# Altium PCB Main - Backup.PcbDoc (part 3 of 4)
Units mil, origin at the board's own origin, x right, y up, seen from the top; angles counter-clockwise.
Board outline 3937.01 x 2362.21 mil, 2 copper layers (Top Layer, Bottom Layer); 313 components, 187 nets, 894 pads, 443 vias.
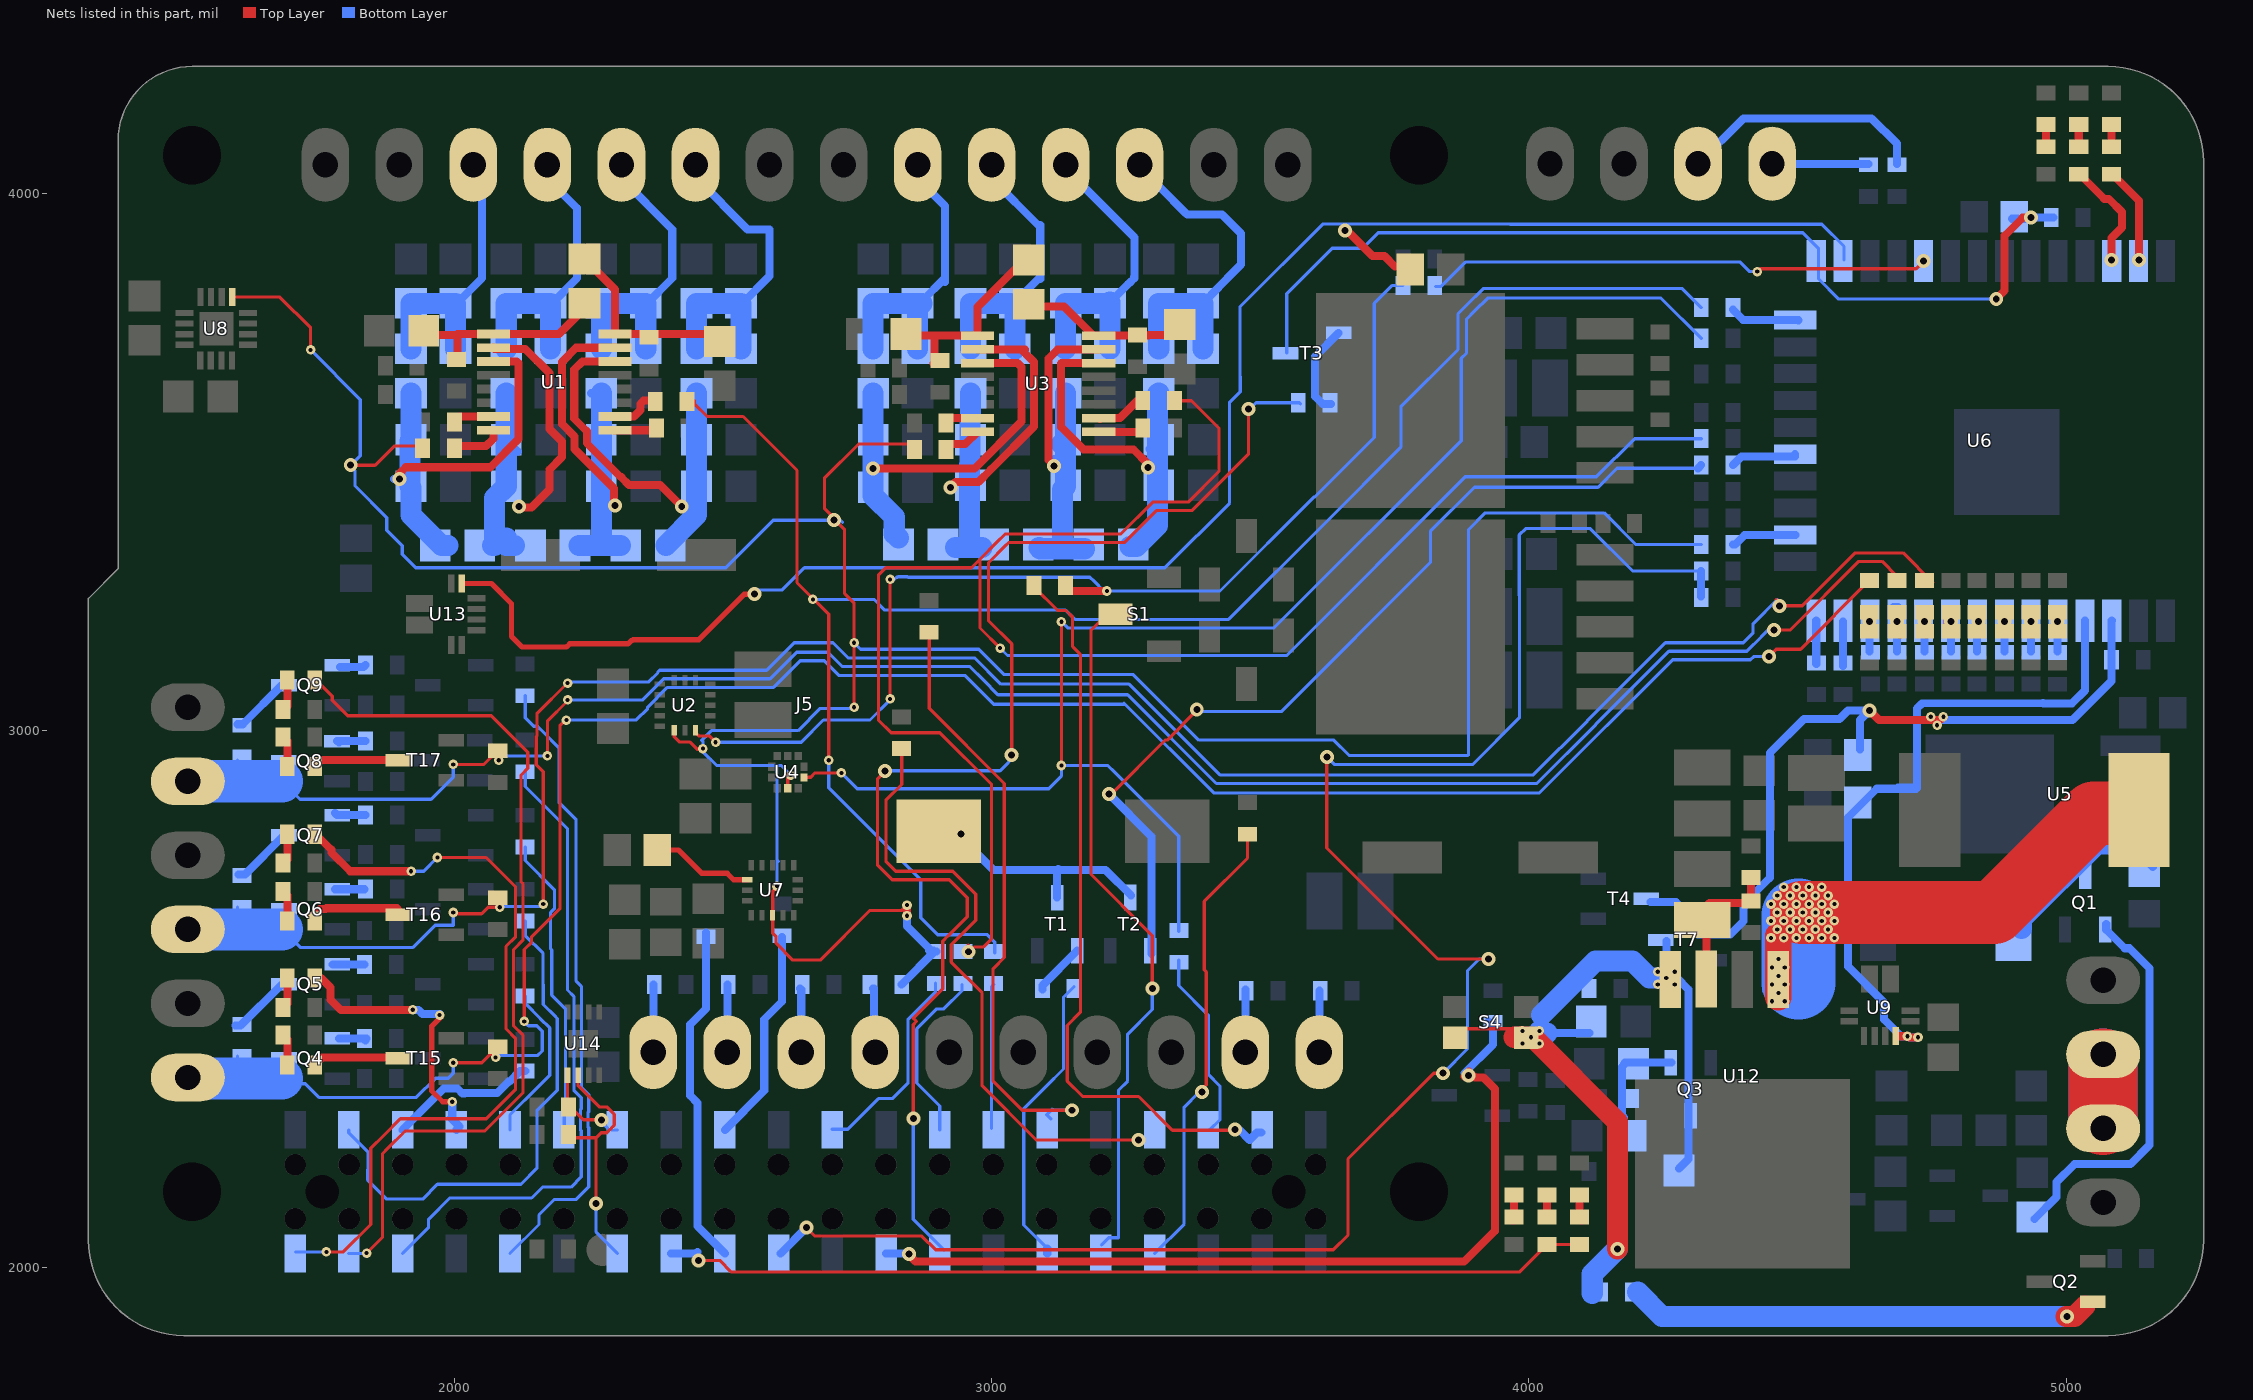
[diagram p3: the nets of this part, all layers, seen from the top]

## Via types
v1: diameter 17.72, hole 7.87, Top Layer to Bottom Layer, 295 vias
v2: diameter 26, hole 13, Top Layer to Bottom Layer, 147 vias
v3: diameter 78.74, hole 39.37, Top Layer to Bottom Layer, 1 vias

## Nets (pads, with @x,y where several pads share a name; then routed paths per layer and width w, separated by ;. In a path a pad name is that pad's centre, name@x,y a point inside that pad or via, vN(x,y) a via of type N, cw(c..) or ccw(c..) an arc to the next point about the centre after c; other vN are vias at no path point) (continued)
MOSI: R3.1 R9.1 R63.1 R101.2 R155.1 U2.6 U4.4 U7.3 U8.5 | length 5949.4
  Top Layer w6: U8.5@1587.01,3807.24 1587.24,3807.01 1675.28,3807.01 1732.36,3749.92 1732.36,3708.74 v1(1732.28,3708.66) ; v2(1807.09,3494.09) 1852.36,3494.09 1887.8,3529.53 R3.1@1940.94,3529.53 ; U2.6@2409.45,3003.94 2409.45,2988.43 2419.27,2978.61 2438.71,2978.61 2452.76,2964.57 2454.72,2966.53 v1(2462.59,2966.53) ; v1(2600.39,2710.62) 2600.39,2708.66 2592.52,2700.79 2592.52,2622.52 2598.8,2616.24 2598.8,2603.95 2629.92,2572.83 2681.1,2572.83 2773.62,2665.35 2832.68,2665.35 v1(2842.52,2675.2) ; U4.4@2620.67,2892.72 2620.67,2912.01 v1(2625.98,2917.32) ; v2@2708.66,3391.73 2726.38,3374.02 2726.38,3254.97 2744.09,3237.25 v1(2744.09,3163.39) v1(2744.09,3043.31) ; v2@2709.65,3392.72 2688.85,3413.51 2688.85,3469.55 2752.76,3533.46 2777.56,3533.46 ; 2778.35,3533.46 R9.1@2860.24,3533.46
  Top Layer w15: v1(2842.52,2655.51) v1(2842.52,2675.2)
  Bottom Layer w6: v1(1732.28,3708.66) 1824.8,3616.14 1824.8,3511.81 v2(1807.09,3494.09) v2@1818.34,3494.09 ; v2@1807.09,3492.13 1814.96,3484.25 1814.96,3455.45 1874.27,3396.14 1874.27,3372.59 1902.81,3344.05 1902.81,3328.3 1928.09,3303.02 1999.04,3303.02 1999.16,3303.15 2012.65,3303.15 2012.77,3303.02 2081.72,3303.02 2081.84,3303.15 2107.13,3303.15 2107.26,3303.02 2176.2,3303.02 2176.33,3303.15 2189.81,3303.15 2189.94,3303.02 2258.88,3303.02 2259.01,3303.15 2284.3,3303.15 2284.43,3303.02 2353.37,3303.02 2353.5,3303.15 2366.98,3303.15 2367.1,3303.02 2504.98,3303.02 2593.69,3391.73 v2(2706.69,3391.73) 2718.5,3391.73 2722.44,3387.8 ; 2598.43,2935.04 2488.19,2935.04 2460.62,2962.6 2462.59,2964.57 v1(2462.59,2966.53) 2462.59,2980.18 2460.62,2982.16 2478.47,3000 2639.76,3000 2681.1,3041.34 2744.09,3041.34 v1@2745.08,3042.32 ; v1(2600.39,2710.62) 2600.39,2759.2 ; 2603.03,2756.57 2600.39,2759.21 ; v1(2625.98,2917.32) 2608.27,2935.04 2600.39,2935.04 2600.39,2759.21 ; v1(2744.09,3163.39) 2755.91,3151.57 2976.38,3151.57 3023.62,3104.33 3263.78,3104.33 3385.83,2982.28 ; 3385.96,2982.41 3637.11,2982.41 3665.91,2953.61 3886.94,2953.61 3886.75,2953.8 3887.8,2954.84 3887.8,3374.39 3918.66,3405.26 4140.02,3405.26 4198.82,3346.46 4301.73,3346.46 R63.1@4320.87,3346.46
  Bottom Layer w15: R155.1@2832.68,2527.56 2893.7,2588.58 R101.2@2897.64,2588.58 ; v1(2842.52,2675.2) v1(2842.52,2655.51) 2842.52,2635.83 R101.2@2887.8,2590.55 ; R101.2@2883.86,2590.55 R101.2@2887.8,2590.55 ; R101.2@2891.73,2590.55 R101.2@2887.8,2590.55
NetC1_1: C1.1 C2.1 C24.2 R40.1 R41.1 U1.7 | length 805
  Top Layer w15: v2@2297.24,3419.29 2297.24,3450.79 2223.54,3524.49 2223.54,3547.72 2200.17,3571.1 2200.17,3686.39 2226.38,3712.6 U1.7@2298.82,3712.6
  Bottom Layer w15: R40.1@2253.93,3627.95 R40.1@2273.62,3627.95 ; C24.2@2273.62,3541.34 C24.2@2279.53,3535.43
  Bottom Layer w39.37: C2.1@2232.35,3344.61 2273.74,3344.61 ; R41.1@2273.62,3454.72 C24.2@2273.62,3541.34 R40.1@2273.62,3627.95 ; R41.1@2273.74,3454.65 2273.74,3344.61 ; C1.1@2309.18,3344.61 2273.74,3344.61
  other v2: 2299.21,3419.29
NetC1_2: C1.2 C26.2 R50.1 R51.1 U1.6 | length 780.8
  Top Layer w15: U1.6@2298.82,3687.01 2238.19,3687.01 2223.17,3671.98 2223.17,3580.62 2246.54,3557.25 2246.54,3534.96 2309.79,3471.7 2310.72,3471.7 2325.11,3457.31 2383.24,3457.31 v2(2423.23,3417.32)
  Bottom Layer w15: C26.2@2450.79,3521.65 C26.2@2450.79,3541.34
  Bottom Layer w39.37: C1.2@2393.7,3344.49 2450.91,3401.7 R51.1@2450.91,3454.65 ; R51.1@2450.79,3454.72 C26.2@2450.79,3541.34 R50.1@2450.79,3627.95
NetC2_2: C2.2 C3.2 C22.2 R30.1 R31.1 U1.10 | length 797.8
  Top Layer w15: U1.10@2072.83,3712.6 2074.85,3710.58 2131.94,3710.58 2177.17,3665.35 2177.17,3561.57 2200.54,3538.2 2200.54,3509.05 2177.17,3485.67 2177.17,3448.82 2143.7,3415.35 2122.04,3415.35 v2(2120.07,3417.32)
  Bottom Layer w15: C22.2@2096.46,3541.34 C22.2@2118.11,3519.69
  Bottom Layer w39.37: C3.2@2070.94,3344.61 2074.8,3344.61 2074.8,3432.88 R31.1@2096.58,3454.65 ; 2096.46,3358.27 2096.46,3344.61 ; R31.1@2096.46,3456.69 C22.2@2096.46,3543.31 ; C22.2@2096.46,3541.34 R30.1@2096.46,3627.95 ; 2106.42,3344.61 2096.46,3344.61 ; 2112.2,3344.49 2096.46,3344.54 2096.46,3344.61
NetC3_1: C3.1 C20.2 R20.1 R21.1 U1.11 | length 852.4
  Top Layer w15: v2(1897.64,3468.5) 1897.64,3478.35 1909.45,3490.16 2066.93,3490.16 2119.24,3542.47 2119.24,3683.91 2116.14,3687.01 U1.11@2072.83,3687.01
  Bottom Layer w15: v2@1887.8,3468.5 v2(1897.64,3468.5) 1903.54,3468.5 1917.32,3454.72 R21.1@1919.29,3454.72 1919.29,3401.57
  Bottom Layer w39.37: R21.1@1917.32,3454.72 C20.2@1917.32,3539.37 ; C20.2@1919.29,3541.34 R20.1@1919.29,3627.95 ; R21.1@1919.41,3452.69 1919.29,3401.57 1976.38,3344.49 C3.1@1988.19,3344.49
NetC4_1: C4.1 C7.2 R5.1 U1.8 | length 362.3
  Top Layer w15: C4.1@2242.13,3877.95 2298.82,3821.26 U1.8@2298.82,3738.19 2478.35,3738.19 C7.2@2492.13,3724.41
NetC4_2: C4.2 C8.2 R6.1 U1.9 | length 358.8
  Top Layer w15: C8.2@1932.68,3736.22 2003.94,3736.22 2005.91,3738.19 ; 2005.91,3704.72 2005.91,3738.19 ; C4.2@2238.98,3782.28 2194.88,3738.19 U1.9@2072.83,3738.19 2005.91,3738.19
NetC11_1: C11.1 C12.1 C23.2 R35.1 R36.1 U3.7 | length 718
  Top Layer w15: v2@3114.17,3492.12 3116.14,3494.09 3106.3,3503.94 3106.3,3692.91 3123.03,3709.65 U3.7@3199.61,3709.65
  Bottom Layer w15: v2(3116.14,3492.13) 3116.14,3501.96 3114.17,3503.93 3116.14,3505.91 ; C23.2@3137.8,3541.34 3137.8,3527.56 C23.2@3139.76,3525.59
  Bottom Layer w39.37: C12.1@3088.58,3340.55 3090.55,3338.58 3131.89,3338.58 ; C23.2@3129.92,3533.46 C23.2@3137.8,3541.34 ; R36.1@3131.89,3448.82 3131.89,3338.58 ; R36.1@3137.8,3454.72 R36.1@3137.8,3456.69 3137.8,3499.99 3137.8,3527.56 C23.2@3137.8,3541.34 ; R35.1@3137.8,3627.95 C23.2@3137.8,3541.34 ; C11.1@3173.23,3338.58 3131.89,3338.58
NetC11_2: C11.2 C25.2 R45.1 R46.1 U3.6 | length 731
  Top Layer w15: U3.6@3199.61,3684.06 3129.97,3684.06 3129.3,3683.39 3129.3,3565.51 3171.19,3523.62 3263.78,3523.62 3291.34,3496.06 v2(3291.34,3490.16) v2@3291.34,3488.19
  Bottom Layer w15: C25.2@3295.03,3522.45 3293.58,3523.9 3309.06,3539.37 C25.2@3311.02,3541.34 C25.2@3309.06,3543.31
  Bottom Layer w39.37: C11.2@3257.87,3342.52 3269.68,3342.52 3309.06,3381.89 3309.06,3539.37 3309.06,3543.31 3309.06,3625.98 R45.1@3311.02,3627.95
NetC12_2: C12.2 C13.2 C21.2 R25.1 R26.1 U3.10 | length 782.5
  Top Layer w15: v2(2923.23,3452.76) 2933.07,3462.6 2975.44,3462.6 2999.38,3486.54 3078.74,3565.9 3078.74,3686.07 3058.59,3706.22 3062.01,3709.65 U3.10@2973.62,3709.65
  Bottom Layer w39.37: C13.2@2933.07,3340.55 C12.2@2982.28,3340.55 ; 2958.66,3340.55 2960.63,3342.52 2958.66,3344.49 2958.66,3346.46 2958.66,3456.69 2959.63,3541.35 R25.1@2960.63,3627.95
NetC13_1: C13.1 C19.2 R15.1 R16.1 U3.11 | length 790.7
  Top Layer w15: v2@2777.56,3490.16 v2(2779.53,3488.19) 2968.5,3488.19 3055.74,3575.43 3055.74,3676.54 3048.23,3684.06 U3.11@2973.62,3684.06
  Bottom Layer w39.37: R15.1@2779.53,3627.95 R16.1@2779.53,3452.76 2779.53,3437.07 2818.9,3397.7 2818.9,3366.14 C13.1@2826.77,3358.27
NetC14_1: C14.1 C17.2 R11.1 U3.8 | length 318.1
  Top Layer w15: C14.1@3066.93,3789.37 3135.04,3789.37 3189.17,3735.24 U3.8@3199.61,3735.24 3292.32,3735.24 3293.31,3736.22 C17.2@3362.2,3736.22
NetC14_2: C14.2 C18.2 R12.1 U3.9 | length 366.8
  Top Layer w15: C18.2@2830.32,3746.46 2841.54,3735.24 2893.7,3735.24 ; R12.1@2891.73,3683.07 2893.7,3685.04 2893.7,3688.98 2893.7,3735.24 ; C14.2@3053.15,3868.11 2973.62,3788.58 U3.9@2973.62,3735.24 2893.7,3735.24
NetC29_2: C29.2 R55.2 T3.3 U6.25 | length 1828.5
  Top Layer w15: v2(4870.08,3803.15) 4885.83,3818.9 4885.83,3921.26 4919.29,3954.72 v2(4935.04,3954.72)
  Bottom Layer w6: T3.3@3549.21,3702.76 3549.21,3812.99 3633.98,3897.76 3690.83,3897.76 3719.65,3926.58 4509.84,3926.58 4539.37,3897.05 4539.37,3840.55 4576.77,3803.15 v2(4870.08,3803.15)
  Bottom Layer w15: C29.2@4899.61,3952.76 4931.1,3952.76 v2@4935.04,3956.69 ; v2(4935.04,3954.72) R55.2@4976.38,3954.72
NetC30_2: C30.2 R57.1 R58.2 U6.10 | length 97.3
  Top Layer w15: R57.1@4736.22,3220.47 R58.2@4736.22,3185.04 4736.22,3183.08 R58.2@4740.15,3179.15
  Bottom Layer w15: U6.10@4734.25,3200.79 4736.22,3198.82 C30.2@4736.22,3147.24
  other v2: 4736.21,3202.76
NetC31_2: C31.2 D2.2 Q1.3 U5.3 | length 349.5
  Bottom Layer w15: U5.3@5104.33,2789.37 5118.11,2789.37 C31.2@5161.42,2746.06
  Bottom Layer w39.37: D2.2@4917.32,2631.89 4917.32,2649.61 5057.09,2789.37 U5.3@5104.33,2789.37 ; U5.3@5118.11,2789.37 U5.3@5129.92,2789.37
NetC33_2: C33.2 R61.1 R64.2 U6.11 | length 130.2
  Top Layer w15: R61.1@4685.04,3220.46 R64.2@4685.04,3185.03 R64.2@4690.95,3179.13
  Bottom Layer w15: U6.11@4679.13,3230.32 4687.01,3230.32 4687.01,3209.06 U6.11@4684.65,3206.69 ; U6.11@4683.07,3200.79 4685.04,3198.82 C33.2@4685.04,3147.64
  other v2: 4685.04,3202.75
NetC34_2: C34.2 R67.1 R70.2 U6.12 | length 63.9
  Bottom Layer w15: C34.2@4633.86,3147.24 U6.12@4633.86,3202.76 ; U6.12@4635.83,3204.72 U6.12@4633.86,3202.76 ; U6.12@4637.8,3198.82 U6.12@4633.86,3202.76
  other v2: 4633.85,3202.75
NetC35_2: C35.2 R68.2 T4.3 U6.3 | length 1480.9
  Top Layer w15: v2(4633.86,3037.4) 4651.57,3019.68 4765.75,3019.68 v1(4771.65,3025.59)
  Bottom Layer w15: T4.3@4226.77,2681.1 4273.62,2681.1 4305.37,2649.36 4305.37,2629.6 4314.45,2620.52 4374.92,2620.52 4399.61,2645.21 4399.61,2677.17 4448.57,2726.13 4448.57,2958.41 4511.93,3021.78 4578.6,3021.78 4580.19,3023.37 4580.39,3023.37 4594.42,3037.4 v2(4633.86,3037.4) 4616.14,3019.68 C35.2@4616.14,2964.57 ; v1(4748.03,3025.59) 4753.94,3019.68 5012.32,3019.68 5084.65,3092.01 5084.65,3204.33 U6.3@5085.04,3204.72
  other v1: 4759.84,3009.84
NetC36_2: C36.2 R73.1 R74.2 U6.5 | length 55.9
  Bottom Layer w15: C36.2@4984.25,3146.85 v2(4984.25,3202.76)
NetC37_2: C37.2 R76.1 R77.2 U6.8 | length 95.7
  Top Layer w15: R77.2@4834.65,3226.36 4834.65,3187 R76.1@4836.62,3185.03
  Bottom Layer w15: C37.2@4834.65,3147.24 U6.8@4834.65,3200.79
  other v2: 4836.61,3202.76
NetC38_2: C38.2 R80.1 R81.2 U6.9 | length 100.9
  Top Layer w15: R81.2@4779.53,3226.37 4779.53,3192.91 R80.1@4787.41,3185.04
  Bottom Layer w15: U6.9@4783.46,3202.76 4785.43,3200.79 C38.2@4785.43,3147.24
  other v2: 4785.43,3202.76
NetC39_2: C39.2 R82.1 R83.2 U6.6 | length 93.7
  Top Layer w15: R82.1@4937.01,3179.13 R83.2@4937.01,3220.47
  Bottom Layer w15: U6.6@4933.07,3198.82 4935.04,3196.85 C39.2@4935.04,3147.24
  other v2: 4935.04,3202.76
NetC40_2: C40.2 R86.1 R88.2 U6.7 | length 98.8
  Top Layer w15: R86.1@4885.83,3185.04 R88.2@4885.83,3220.47 R88.2@4885.83,3226.38
  Bottom Layer w15: C40.2@4885.83,3147.24 v2(4885.83,3202.76) U6.7@4885.83,3204.72
NetC41_1: C41.1 U7.14 | length 178.3
  Top Layer w9.84: C41.1@2389.76,2777.56 2417.32,2777.56 2460.63,2734.25 2507.87,2734.25 2519.68,2722.44 U7.14@2545.28,2722.44
NetC48_1: C48.1 C50.2 Q3.3 R114.1 R115.1 S4.1 S4.3 T7.3 U12.5 | length 1709.6
  Top Layer w6: S4.3@3869.09,2444.88 S4.1@3978.35,2444.88
  Top Layer w15: S4.1@3988.19,2429.13 3995.08,2429.13 v1(4003.94,2429.13) S4.1@4006.56,2429.13 ; v1(4255.91,2539.37) U12.5@4275.59,2539.37
  Top Layer w39.37: S4.1@3972.44,2429.13 3974.41,2429.13 S4.1@3988.19,2429.13 ; S4.1@3986.4,2430.64 3990.39,2429.95 S4.1@3995.08,2429.13 ; v2(4165.35,2035.43) 4165.35,2271.65 S4.1@4007.87,2429.13 ; S4.1@3988.19,2429.13 S4.1@3995.08,2429.13 ; S4.1@3988.19,2429.13 S4.1@3995.08,2429.13 ; S4.1@3995.08,2429.13 S4.1@4007.87,2429.13 ; S4.1@3995.08,2429.13 S4.1@3999.78,2429.13 ; S4.1@3996.06,2429.13 S4.1@3999.78,2429.13 ; S4.1@3996.06,2429.13 S4.1@4003.71,2429.13 ; S4.1@3996.06,2429.13 v1(4003.94,2429.13) ; S4.1@3999.78,2429.13 S4.1@4000.79,2429.13 ; S4.1@4000.79,2429.13 v1(4003.94,2429.13) ; S4.1@4000.79,2429.13 S4.1@4003.71,2429.13 ; S4.1@4003.71,2429.13 S4.1@4007.87,2429.13 ; v1(4003.94,2429.13) S4.1@4007.87,2429.13
  Bottom Layer w15: v1@3996.06,2440.94 v1(4019.68,2440.94) 4019.68,2429.13 ; v1@4021.65,2437.01 4023.62,2437.01 4023.62,2470.47 ; 4033.46,2437.01 C48.1@4112.6,2437.01 ; v1(4255.91,2539.37) T7.3@4255.91,2608.27 ; 4271.65,2539.37 v1(4271.65,2551.18) ; 4275.59,2539.37 4297.24,2517.72 4297.24,2293.31 4297.24,2202.76 C50.2@4279.53,2185.04
  Bottom Layer w39.37: v1(4003.94,2429.13) v1@4007.87,2429.13 ; v1(4019.68,2440.94) 4023.62,2437.01 4027.56,2433.07 4029.53,2433.07 4033.46,2437.01 ; 4023.62,2470.47 4124.02,2570.87 4192.91,2570.87 4224.41,2539.37 ; 4118.11,1952.76 4118.11,1988.19 v2(4165.35,2035.43) ; 4232.28,2539.37 v1(4255.91,2539.37) v1@4263.78,2539.37
  other v1: 3988.19,2417.32 4019.68,2417.32 3988.19,2440.94 4240.16,2527.56 4271.65,2527.56 4240.16,2551.18
NetC49_1: C49.1 C51.2 Q3.1 R118.2 | length 187.6
  Bottom Layer w15: C51.2@4173.23,2374.02 4173.23,2283.46 4177.17,2279.53 ; C51.2@4176.77,2377.95 4176.77,2379.53 4179.13,2381.89 Q3.1@4265.75,2381.89
NetC53_2: C53.2 U6.4 U9.10 | length 1317
  Top Layer w15: U9.10@4685.04,2431.1 v1(4704.72,2431.1) 4706.69,2431.1 4708.67,2429.13 v1(4724.4,2429.13)
  Bottom Layer w10: 4731.55,3050.44 4731.55,3053.15
  Bottom Layer w15: v1(4724.4,2429.13) 4708.67,2429.13 4706.69,2431.1 v1(4704.72,2431.1) 4692.91,2431.1 4661.42,2462.6 4661.42,2494.09 4594.49,2561.02 4594.49,2838.58 4647.64,2891.73 4685.04,2891.73 ; U6.4@5035.04,3204.72 5035.04,3074.93 5010.75,3050.64 4957.75,3050.64 4957.36,3051.04 4731.55,3050.44 4722.19,3041.09 4722.19,2893.7 ; 4685.04,2891.73 4720.52,2891.73 4722.19,2893.4 ; 4685.04,2891.73 4687.01,2893.7 4722.19,2893.7 ; 4722.19,2893.4 4722.19,2893.7 ; 4722.19,2893.4 4722.49,2893.7 4722.19,2893.7
NetC61_1: C61.1 R125.2 R126.1 U12.4 | length 260.8
  Top Layer w15: C61.1@4324.8,2667.32 4336.61,2679.13 4413.39,2679.13 R126.1@4413.39,2683.07 R125.2@4413.39,2722.44 ; U12.4@4330.71,2537.4 C61.1@4330.71,2661.42
NetC65_2: C65.2 U6.26 U13.11 | length 3383.3
  Top Layer w9.84: U13.11@2015.75,3273.62 2068.9,3273.62 2106.43,3236.09 2106.43,3181.92 2106.3,3181.8 2106.3,3180.41 2106.43,3180.28 2106.43,3175.07 2125.86,3155.64 2208.79,3155.64 2214.69,3161.54 2323.22,3161.54 2329.37,3167.69 2331.34,3167.69 2332.93,3169.29 2455.08,3169.29 2464.32,3178.52 2539.73,3253.94 v2(2559.06,3253.94)
  Top Layer w15: v2(3657.47,3931.09) v2@3660.02,3931.09 ; v2(3657.47,3931.09) 3661.42,3931.1 3708.91,3883.61 3731.11,3883.61 3750.55,3864.17 C65.2@3779.53,3864.17
  Bottom Layer w6: v2@2557.09,3261.81 2610.24,3261.81 2651.57,3303.15 3322.6,3303.15 3442.91,3423.46 3442.91,3611.08 3462.72,3630.89 3462.72,3658.76 3462.6,3658.88 3462.6,3789.37 3616.14,3942.91 3964.57,3942.91 3965.03,3942.45 4545.34,3942.45 4586.61,3901.18 U6.26@4586.61,3875.98
  Bottom Layer w15: v2(2559.06,3253.94) v2@2562.74,3257.63
NetD1_2: D1.2 R84.2 | length 36.2
  Top Layer w15: R84.2@4962.6,4127.95 4962.6,4094.49 D1.2@4964.57,4092.52
NetD3_1: D3.1 U6.36 | length 207.7
  Top Layer w15: D3.1@5023.62,4037.4 5071.11,3989.91 5079.53,3989.91 5104.08,3965.36 5104.08,3936.21 5084.65,3916.78 v2(5084.65,3875.98)
NetD3_2: D3.2 R104.2 | length 41
  Top Layer w15: D3.2@5019.69,4088.58 5023.62,4092.52 R104.2@5023.62,4127.95
NetD4_1: D4.1 D6.2 J5.26 | length 1720.2
  Top Layer w6: v2(2454.72,2013.78) 2494.09,2013.78 2515.75,1992.13 3982.28,1992.13 D4.1@4033.46,2043.31 D6.2@4094.49,2043.31
  Bottom Layer w15: J5.26@2403.54,2026.73 2450.26,2026.73 2452.76,2029.23
NetD4_2: D4.2 R105.2 | length 39.4
  Top Layer w15: D4.2@4033.46,2096.46 R105.2@4033.46,2135.83
NetD5_1: D5.1 U6.37 | length 182.6
  Top Layer w15: D5.1@5084.65,4037.4 5135.83,3986.22 v2(5135.83,3875.98)
NetD5_2: D5.2 R106.2 | length 33.5
  Top Layer w15: D5.2@5084.65,4094.49 R106.2@5084.65,4127.95
NetD6_1: D6.1 R107.1 | length 48.9
  Top Layer w15: R107.1@4094.49,2135.83 D6.1@4094.49,2094.49 4094.49,2092.52 D6.1@4098.43,2088.58
NetD7_1: D7.1 R108.1 | length 58.4
  Top Layer w15: R108.1@1681.1,2484.25 1688.98,2492.13 D7.1@1688.98,2539.37
NetD7_2: D7.2 J5.33 | length 535.7
  Top Layer w9.84: v1@1974.41,2470.47 1974.41,2466.2 1957.75,2449.54 1957.75,2329.65 1978.35,2309.06 v1(1996.06,2309.06)
  Top Layer w15: D7.2@1738.19,2539.37 D7.2@1740.16,2539.37 1751.97,2539.37 1769.68,2521.65 1769.68,2499.02 1789.12,2479.58 1921.75,2479.58 v1(1922.49,2480.32)
  Bottom Layer w15: v1(1922.49,2480.32) 1933.07,2480.32 1940.94,2472.44 1972.94,2472.44 1972.44,2471.95 v1(1972.44,2470.47) ; v1(1996.06,2309.06) 1996.06,2281.5 1993.72,2279.16 2009.84,2263.04 2003.93,2257.13 J5.33@2003.54,2256.73
NetD8_1: D8.1 R109.1 | length 58.4
  Top Layer w15: R109.1@1681.1,3037.4 1688.98,3045.28 D8.1@1688.98,3092.52
NetD8_2: D8.2 J5.38 | length 1653.4
  Top Layer w6: D8.2@1738.19,3094.49 D8.2@1740.16,3094.49 1742.13,3094.49 1772.51,3064.1 1772.51,3056.35 1801.3,3027.56 2068.9,3027.56 2136.55,2959.9 2136.55,2929.58 2124.02,2917.04 2124.02,2718.62 2127.95,2714.68 2127.95,2610.31 2110.06,2592.42 2110.06,2450.44 2127.93,2432.57 2127.93,2326.36 2056.12,2254.56 1908.1,2254.56 1875.98,2222.44 1866.14,2212.6 1866.14,2057.09 v1(1836.61,2027.56)
  Bottom Layer w6: J5.38@1803.54,2026.73 v1@1835.79,2026.73
  Bottom Layer w15: v1@1835.79,2026.73 v1(1836.61,2027.56)
NetD9_1: D9.1 R110.1 | length 58.4
  Top Layer w15: R110.1@1681.1,2751.97 1688.98,2759.84 D9.1@1688.98,2807.09
NetD9_2: D9.2 J5.40 | length 1446.5
  Top Layer w6: v1@1763.78,2029.53 1793.31,2029.53 1844.49,2080.71 1844.49,2222.44 1868.35,2246.31 1899.61,2277.56 2059.32,2277.56 2113.93,2332.16 2113.93,2426.77 2096.06,2444.64 2096.06,2598.22 2113.95,2616.11 2113.95,2625.94 2113.93,2708.91 2059.06,2763.78 v1(1968.5,2763.78)